# Altium PCB 75100_405_v4.0.PcbDoc (part 2 of 2)
Units mil, origin at the board's own origin, x right, y up, seen from the top; angles counter-clockwise.
Board outline 2985 x 1655 mil, 4 copper layers (Top Layer, Signal Layer 1, Signal Layer 2, Bottom Layer), stack 30.634 mil thick; 141 components, 93 nets, 422 pads, 408 vias.
Unrouted connection lines stored in the file: 2.
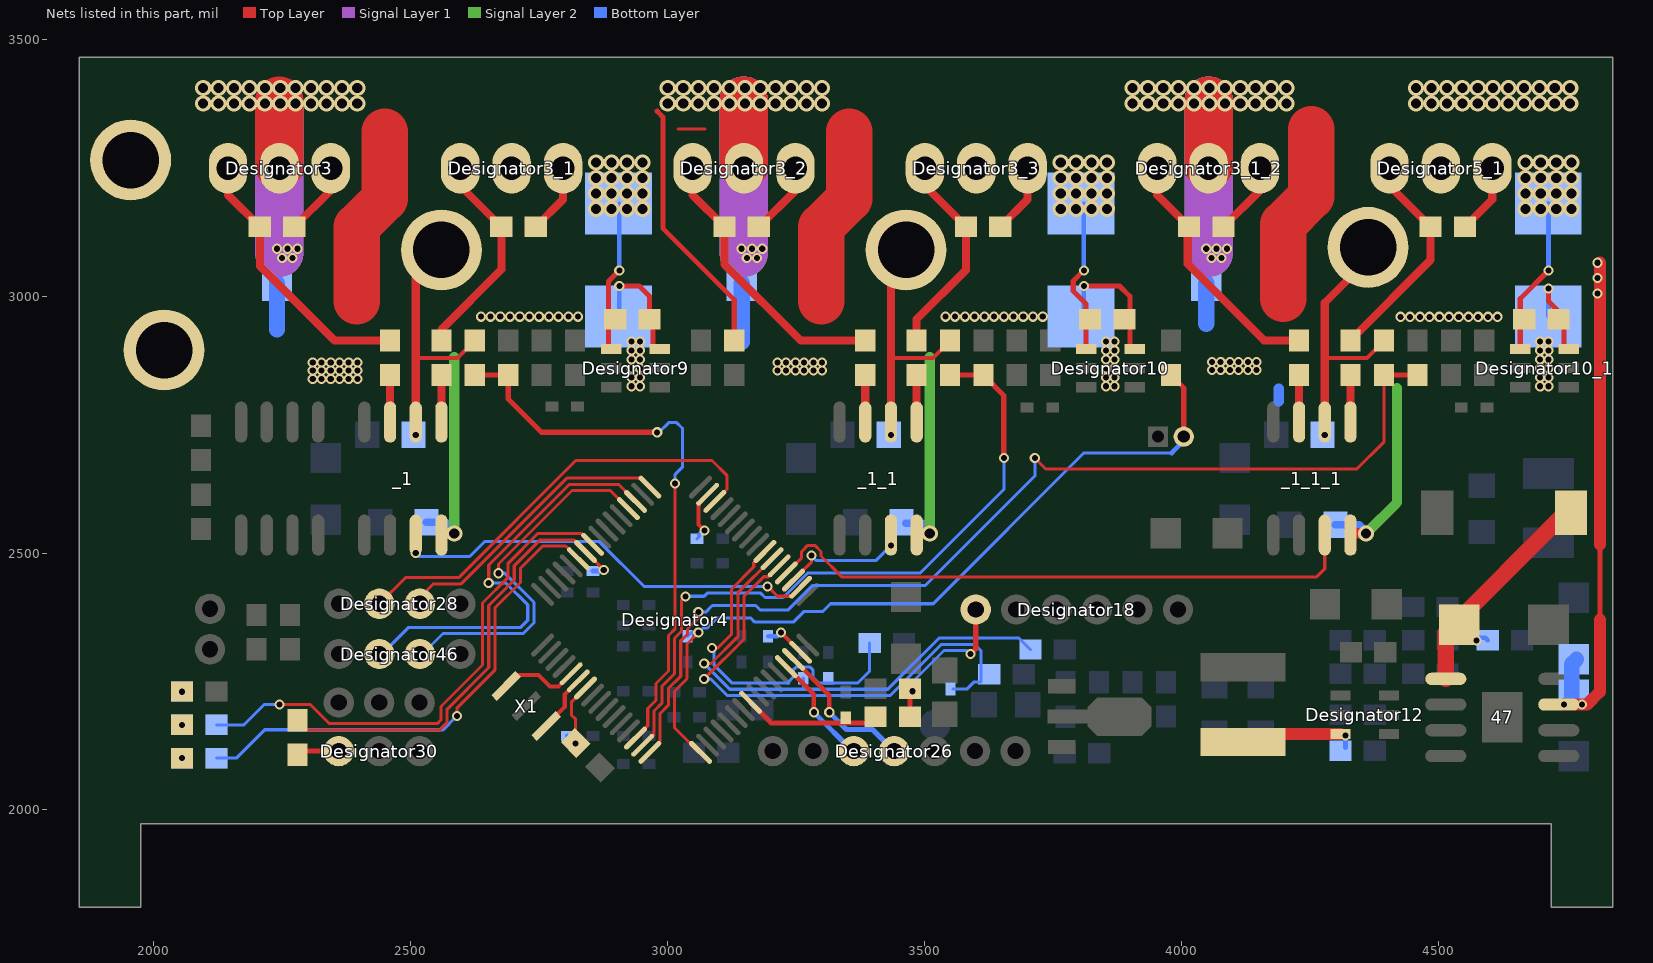
[diagram p4: the nets of this part, all layers, seen from the top]

## Via types
v1: diameter 19.68, hole 11.81, Top Layer to Bottom Layer, 254 vias
v2: diameter 31.5, hole 19.68, Top Layer to Bottom Layer, 154 vias

## Nets (pads, with @x,y where several pads share a name; then routed paths per layer and width w, separated by ;. In a path a pad name is that pad's centre, name@x,y a point inside that pad or via, vN(x,y) a via of type N, cw(c..) or ccw(c..) an arc to the next point about the centre after c; other vN are vias at no path point) (continued)
hall1: 3_7.1 Designator4.37 Designator44.1 | length 1005.4
  Top Layer w6: v1(3071.49,2255) 3071.72,2255 3149,2332.28 3149,2415.65 3187.2,2453.84 3196.28,2453.84 Designator4.37@3217.47,2475.04
  Bottom Layer w6: v1(3071.49,2255) 3083.78,2255 3116.04,2222.74 3433.84,2222.74 3533.41,2322.31 3597.8,2322.31 3610,2310.11 3610,2248.54 3596.17,2248.54 3582.63,2235 Designator44.1@3555.87,2235
hall2: 3_6.1 Designator4.38 Designator45.1 | length 995.5
  Top Layer w6: v1(3071.49,2285) 3084.75,2285 3137,2337.25 3137,2422.4 Designator4.38@3203.55,2489.03
  Bottom Layer w6: v1(3071.49,2285) 3071.49,2284.26 3121.01,2234.74 3265.08,2234.74 ; Designator45.1@3264.04,2256.34 3265.08,2255.3 3265.08,2234.74 ; 3_6.1@3706.54,2312 3683.95,2334.59 3528.72,2334.59 3428.87,2234.74 3265.08,2234.74
hall3: 3_5.2 Designator4.39 Designator43.1 | length 701.3
  Top Layer w6: v1@3081.49,2315 v1(3086.49,2315) 3097.78,2315 3125,2342.22 3125,2430 3167.97,2472.97 3167.97,2481.21 Designator4.39@3189.63,2502.87
  Bottom Layer w6: v1(3086.49,2315) 3090.33,2311.16 3090.33,2282.39 3125.98,2246.74 3233.04,2246.74 3245.04,2258.73 3245.04,2272.57 3250.31,2277.84 3277.76,2277.84 3283.04,2272.57 3283.04,2257.96 3294.26,2246.74 3370,2246.74 3393.63,2270.37 3_5.2@3393.63,2325
L1: _1.3 Designator4.34 | length 850.3
  Top Layer w6: v1(3195,2435) 3214.12,2415.88 3241.83,2415.88 Designator4.34@3259.23,2433.28
  Top Layer w7.87: v1(2510,2500) _1.3@2510,2535
  Bottom Layer w6: v1(2510,2500) 2516.84,2493.16 2614.93,2493.16 2643.89,2522.12 2867.21,2522.12 2954.34,2435 v1(3195,2435)
L2: _1_1.3 Designator4.35 | length 268.1
  Top Layer w6: Designator4.35@3245.31,2447.2 3280,2481.89 v1(3280,2495) v1@3280,2500 ; _1_1.3@3435,2505 _1_1.3@3435,2535
  Bottom Layer w6: v1(3280,2495) 3289.84,2485.16 3405.49,2485.16 v1(3434.74,2514.41)
L3: _1_1_1.3 Designator4.36 | length 1180
  Top Layer w6: Designator4.36@3231.39,2461.12 3261.16,2490.88 3261.16,2502.8 3273.35,2515 3286.65,2515 3298.84,2502.8 3298.84,2494.19 3339.46,2453.57 4263.57,2453.57 4279.41,2469.41 _1_1_1.3@4279.41,2535
ledb: 3.1@2055,2230.61 44.1
  other v1: 2055,2230
ledg: 4.1@2055,2165.61 43.1
  other v1: 2055,2165.61
ledgreen: 43.2 Designator4.57 | length 1033.1
  Top Layer w6: v1(2245,2205) 2304.75,2205 2341.94,2167.81 2551.65,2167.81 2559.16,2175.31 2559.16,2201.13 2640,2281.97 2640,2402.8 2689.79,2452.59 2689.79,2480.37 2747.06,2537.64 2833.44,2537.64 Designator4.57@2854.29,2516.79
  Bottom Layer w6: 43.2@2121.93,2165.61 2175.61,2165.61 2215,2205 v1(2245,2205) v1@2250,2205
ledr: 5.1@2055,2100.61 42.1
  other v1: 2055,2100.61
ledred: 42.2 Designator4.59 | length 981.9
  Top Layer w6: v1(2590,2182.63) 2590,2198.03 2664,2272.03 2664,2392.86 2713.79,2442.65 2713.79,2470.43 2757,2513.64 2801.76,2513.64 Designator4.59@2826.45,2489.03
  Bottom Layer w6: 42.2@2121.93,2100.61 2160.61,2100.61 2216,2156 2563.37,2156 v1(2590,2182.63)
nrf_rx: Designator4.52 Designator46.3 | length 743.8
  Top Layer w6: v1(2670.94,2460.57) 2670.94,2478.5 2814.07,2621.63 2888.72,2621.63 Designator4.52@2923.88,2586.47
  Bottom Layer w6: Designator46.3@2517.95,2298.32 2562.97,2343.34 2719.34,2343.34 2740,2364 2740,2403.99 2683.42,2460.57 v1(2670.94,2460.57)
  Bottom Layer w9: Designator46.3@2517.95,2298.32 Designator46.3@2517.95,2303.32 Designator46.3@2517.95,2315.68
nrf_tx: Designator4.51 Designator46.2 | length 841.4
  Top Layer w6: v1(2652,2441.45) 2652,2476.53 2809.1,2633.63 2904.56,2633.63 Designator4.51@2937.8,2600.39
  Bottom Layer w6: Designator46.2@2439.21,2298.32 2496.23,2355.34 2714.37,2355.34 2728,2368.97 2728,2399.02 2685.57,2441.45 2654.24,2441.45 v1(2652,2441.45)
nrst: 32.2 Designator4.7 Designator33.2 | length 137.5
  Top Layer w6: 32.2@2821.34,2138.66 2821.34,2176.4 2812.94,2184.8 2812.94,2209.7 Designator4.7@2840.37,2237.13
  Bottom Layer w9: Designator33.2@2805,2144.39 2821.34,2128.05 v1(2821.34,2129.12)
pc6: 
pc7: 
pc8: 
PGND: 1.2@3144.41,3020 2.2 30.1 31.1 34.1 ?.2 _1.2@2530.74,2560.15 _1.4 _1_1.2@3455.74,2560.15 _1_1.4 _1_1_1.2@4300.15,2555.15 _1_1_1.4 Designator9.3 Designator10.3 Designator10_1.3 pad.0@2020,2895 R11_1.1 R11_2.1 R11_3.1 | length 2246.5
  Top Layer w10: v1(2906.18,3020) 2945,3020 2965.09,2999.91 30.1@2965.09,2955 2971.92,2948.17 Designator9.3@2971.92,2897.4 ; v1(3810.59,3020) 3880,3020 3900,3000 Designator10.3@3900,2900 ; v1(4715,3015) 4715,2990 4734.58,2970.42 34.1@4734.58,2955 4745,2944.58 Designator10_1.3@4745,2900
  Top Layer w20: _1.4@2562.65,2537.65 v2@2584.97,2538.8 ; _1_1.4@3488.24,2538.24 v2(3510.59,2538.24) v2@3515.59,2538.24 ; _1_1_1.4@4332.65,2538.24 v2(4360,2538.24)
  Signal Layer 2 w20: v2@2585,2538.81 2585,2881.15 ; v2@3510.59,2538.81 3510.59,2881.15 ; v2(4360,2538.24) 4420,2598.24 4420,2821.42
  Bottom Layer w9: R11_1.1@2906.18,2960.76 v1(2906.18,3020) ; R11_3.1@3810.59,2960.76 v1(3810.59,3020) ; R11_2.1@4715,2960.76 v1(4715,3015)
  Bottom Layer w15: _1.2@2530.74,2560.15 2567.5,2560.15 v2@2585,2538.81 ; _1_1.2@3464.41,2558.14 3495.7,2558.14 v2@3515.59,2538.24 ; _1_1_1.2@4300.15,2555.15 4346.58,2555.15 4359.41,2542.32 v2@4359.41,2532.65
  Bottom Layer w20: 4190,2795 4190,2820
  Bottom Layer w31.5: 2240,2935 ?.2@2240,3025 ; 3144.41,2910.59 1.2@3144.41,3025 ; 4048.82,2946.18 2.2@4048.82,3025
  other v1: 2930.03,2824.63 2946.18,2824.63 3853.85,2824.63 3870,2824.63 4698.85,2824.63 4715,2824.63 2309.49,2838.85 2326.4,2838.85 2344.49,2838.85 2361.4,2838.85 2379.49,2838.85 2396.4,2838.85 2930.03,2841.54 2946.18,2841.54 3853.85,2841.54 3870,2841.54 4698.85,2841.54 4715,2841.54 2309.49,2855 2326.4,2855 2344.49,2855 2361.4,2855 2379.49,2855 2396.4,2855 3213.9,2855 3230.81,2855 3248.9,2855 3265.81,2855 3283.9,2855 3300.81,2855 4060,2856.02 4076.91,2856.02 4095,2856.02 4111.91,2856.02 4130,2856.02 4146.91,2856.02 2930.03,2859.63 2946.18,2859.63 3853.85,2859.63 3870,2859.63 4698.85,2859.63 4715,2859.63 2309.49,2871.15 2326.4,2871.15 2344.49,2871.15 2361.4,2871.15 2379.49,2871.15 2396.4,2871.15 3213.9,2871.15 3230.81,2871.15 3248.9,2871.15 3265.81,2871.15 3283.9,2871.15 3300.81,2871.15 4060,2872.18 4076.91,2872.18 4095,2872.18 4111.91,2872.18 4130,2872.18 4146.91,2872.18 2930.03,2876.54 2946.18,2876.54 3853.85,2876.54 3870,2876.54 4698.85,2876.54 4715,2876.54 2930.03,2894.63 2946.18,2894.63 3853.85,2894.63 3870,2894.63 4698.85,2894.63 4715,2894.63 2930.03,2911.54 2946.18,2911.54 3853.85,2911.54 3870,2911.54 4698.85,2911.54 4715,2911.54 2636.65,2960 2655.59,2960 2674.53,2960 2693.47,2960 2712.4,2960 2731.34,2960 2750.28,2960 2769.22,2960 2788.15,2960 2807.09,2960 2826.03,2960 3541.06,2960 3560,2960 3578.94,2960 3597.87,2960 3616.81,2960 3635.75,2960 3654.69,2960 3673.62,2960 3692.56,2960 3711.5,2960 3730.44,2960 4426.65,2959.84 4445.59,2959.84 4464.53,2959.84 4483.47,2959.84 4502.4,2959.84 4521.34,2959.84 4540.28,2959.84 4559.22,2959.84 4578.15,2959.84 4597.09,2959.84 4616.03,2959.84
  other v2: 2585,2538.24
ppm: 46.2 Designator30.1 | length 65.1
  Top Layer w10: 46.2@2295,2114.42 Designator30.1@2360.06,2114.42
rc1: Designator4.5 X1.3 | length 155
  Top Layer w7.87: X1.3@2686.03,2240.95 2707.47,2262.4 2748.79,2262.4 2771.19,2240 2787.56,2240 Designator4.5@2812.53,2265.04
rc2: Designator4.6 X1.1 | length 111.5
  Top Layer w7.87: X1.1@2765,2165 2800,2200 2800,2224.6 Designator4.6@2826.45,2251.04
rx: Designator4.30 Designator26.4 | length 289.3
  Top Layer w9: Designator4.30@3245.31,2292.8 3315,2223.11 v1@3315,2195
  Bottom Layer w10: v1@3315,2195 v1(3315,2190) 3348.58,2156.42 3399.29,2156.42 Designator26.4@3441.29,2114.42
S1: 7.1 8.1 Designator4.14 | length 1130.5
  Top Layer w6: Designator4.14@2937.8,2139.69 2961.61,2163.49 2961.61,2197.39 2977.67,2213.44 2977.67,2246.1 3001.82,2270.26 3001.82,2339.31 3015,2352.49 v1(3015,2635)
  Top Layer w10: 7.1@2625,2846.54 8.1@2690,2846.54 2690,2800 2755,2735 v1(2980,2735)
  Bottom Layer w6: v1(2980,2735) 2983.35,2735 3002.2,2753.84 3017.8,2753.84 3028.32,2743.32 3028.84,2742.8 3028.84,2666.87 3015,2653.03 v1(3015,2635)
S2: 9.1 10.1 Designator4.15 | length 1343.4
  Top Layer w6: Designator4.15@2951.72,2125.85 Designator4.15@2951.72,2125.85 2951.72,2126.05 2971.19,2145.51 2973.61,2145.51 2973.61,2192.41 2989.67,2208.47 2989.67,2241.13 3013.82,2265.29 3013.82,2333.9 3027,2347.08 3027,2407 v1(3035,2415)
  Top Layer w10: 9.1@3550,2846.54 10.1@3615,2846.54 3654.69,2806.85 v1(3654.69,2685)
  Bottom Layer w6: v1@3034.16,2415.84 v1(3035,2415) ; v1@3035,2415.84 3071.31,2415.84 3077.31,2421.84 3181.51,2421.84 3189.96,2413.39 3225.23,2413.39 3272.99,2461.16 3492.22,2461.16 3654.69,2623.63 v1(3654.69,2685)
S3: 11.1 12.1 Designator4.16 | length 2025
  Top Layer w6: Designator4.16@2965.64,2111.93 2985.61,2131.82 2985.61,2187.44 3001.67,2203.5 3001.67,2236.16 3025.82,2260.32 3025.82,2328.93 3039,2342.11 3039,2352.04 3060,2373.04 v1(3060,2385) ; v1(3715,2685) 3736.84,2663.16 4341.4,2663.16 4395,2716.76 11.1@4395,2846.54
  Top Layer w10: 11.1@4395,2846.54 12.1@4460,2846.54
  Bottom Layer w6: v1(3060,2385) 3074.41,2385 3087.25,2397.84 3171.57,2397.84 3180.02,2389.39 3235.17,2389.39 3282.93,2437.16 3502.16,2437.16 3715,2650 v1(3715,2685)
servo: 46.1 Designator4.58 Designator42.2 | length 905
  Top Layer w6: 46.1@2284.29,2170 2298.49,2155.81 2556.62,2155.81 2571.16,2170.34 2571.16,2196.16 2652,2277 2652,2397.83 2701.79,2447.62 2701.79,2475.4 2752.03,2525.64 2817.6,2525.64 v1(2875.95,2467.29)
  Top Layer w10: 46.1@2280,2174.29 46.1@2284.29,2170
  Bottom Layer w9: Designator42.2@2855,2465 2873.65,2465 v1(2875.95,2467.29)
sw1: 13.1 14.2 47.5 _2.1@4596.54,2330 | length 453.8
  Top Layer w31.5: 47.5@4515,2255 4515,2345 4748,2578 13.1@4758.67,2578
  Bottom Layer w9: _2.1@4575,2335 4591.54,2335 _2.1@4596.54,2330
  other v1: 4575,2330
sw2: 16.1 19.2 Designator12.6 | length 198
  Top Layer w23.62: 16.1@4135.43,2147.6 Designator12.6@4310,2147.6
  Bottom Layer w10: 19.2@4320,2121.54 v1(4320,2145)
swclk: Designator4.49 Designator28.3 | length 563.4
  Top Layer w6: Designator28.3@2517.95,2401.16 2517.95,2413.52 2544.38,2439.94 2598.45,2439.94 2804.13,2645.63 2948.16,2645.63 Designator4.49@2965.64,2628.15
swdio: Designator4.46 Designator28.2 | length 864.6
  Top Layer w6: Designator28.2@2439.21,2401.16 2490,2451.94 2593.47,2451.94 2821.69,2680.16 3086.64,2680.16 3115.64,2651.15 3115.64,2623.76 Designator4.46@3092.2,2600.31
tm: 49.2 Designator4.24 Designator34.1 | length 275.4
  Top Layer w10: Designator4.24@3161.79,2209.29 3201.92,2169.16 3390.11,2169.16 3394.64,2173.69 49.2@3418.69,2173.69
tmos: 1.2@4005,2726.54 21_2.1 Designator4.17 Designator41.2 | length 1544.4
  Top Layer w6: v1(3060,2345) 3037.82,2322.82 3037.82,2255.34 3013.67,2231.19 3013.67,2159.69 3051.06,2122.29 3053.92,2122.29 Designator4.17@3064.36,2111.93
  Top Layer w10: 21_2.1@3980,2846.54 4005,2821.54 1.2@4005,2741.54
  Bottom Layer w6: Designator41.2@3038.83,2337.83 3046.04,2345 v1(3060,2345) 3069.16,2354.16 3077.51,2354.16 3097.2,2373.84 3161.63,2373.84 3170.08,2365.39 3245.11,2365.39 3266.2,2386.49 3302.8,2386.49 3317.48,2401.16 3517.07,2401.16 3810.91,2695 3981.68,2695 ; 1.2@4005,2718.32 1.2@4005,2726.54 1.2@4005,2741.54
  Bottom Layer w10: 3981.68,2695 1.2@4005,2718.32
tmot: 36.2 49.1 Designator18.1@3600,2390 | length 299.8
  Top Layer w10: 49.1@3471.93,2181.07 36.2@3471.93,2230.95 ; v1(3590,2303.46) 3600,2313.46 Designator18.1@3600,2390
  Bottom Layer w6: v1(3476.93,2230.95) 3476.93,2248.86 3538.38,2310.31 3583.16,2310.31 v1(3590,2303.46)
tx: Designator4.29 Designator26.3 | length 213.7
  Top Layer w9: Designator4.29@3231.39,2278.88 3285,2225.27 v1@3285,2195
  Bottom Layer w10: v1@3284.85,2189.85 Designator26.3@3360.98,2113.73
  other v1: 3285,2190
U: 4.1@2273.46,3135 7.2 _1.2@2505.74,2730.15 _1.6 Designator3.3 Designator3_1.2 pad.0@2560,3090 | length 622.3
  Top Layer w7.87: 2510,2880 2591.54,2880 7.2@2625,2913.46
  Top Layer w15.75: 4.1@2273.46,3135 2344.49,3206.02 Designator3.3@2344.49,3248.98 ; _1.6@2510,2735 _1.6@2510,2755 2510,2880 pad.0@2510,3085
  other v1: 2510,2730
u_h: 3.1@2460,2846.54 _1.7 | length 111.5
  Top Layer w15.75: _1.7@2460,2735 3.1@2460,2846.54
u_l: 5.1@2560,2846.54 _1.5 | length 111.5
  Top Layer w15.75: _1.5@2560,2735 5.1@2560,2846.54
uh: 3.2@2460,2913.46 4.2@2206.54,3135 Designator3.1 | length 529.7
  Top Layer w15.75: Designator3.1@2144.49,3248.98 2144.49,3197.05 4.2@2206.54,3135 2206.54,3058.46 2351.54,2913.46 3.2@2460,2913.46
ul: 5.2@2560,2913.46 6.2 Designator3_1.1 | length 416.9
  Top Layer w15.75: 5.2@2560,2913.46 2560,2935 2676.54,3051.54 6.2@2676.54,3135 2596.69,3214.84 Designator3_1.1@2596.69,3248.98
UR: 6.1 30.2 Designator3_1.3 Designator9.4 R11_1.2 | length 429.5
  Top Layer w7.87: Designator9.4@2880,2897.4 Designator9.4@2885.34,2902.74
  Top Layer w10: Designator9.4@2885.34,2902.74 2885.34,3028.63 2887.95,3031.24 2887.95,3031.77 v1(2906.18,3050)
  Top Layer w15.75: 6.1@2743.46,3135 2796.69,3188.23 Designator3_1.3@2796.69,3248.98
  Bottom Layer w9: v1(2906.18,3050) R11_1.2@2906.18,3180.05
  other v2: 2861.18,3170 2891.18,3170 2921.18,3170 2951.18,3170 2861.18,3200 2891.18,3200 2921.18,3200 2951.18,3200 2861.18,3230 2891.18,3230 2921.18,3230 2951.18,3230 2861.18,3260 2891.18,3260 2921.18,3260 2951.18,3260
V: 4_1.1 9.2 _1_1.2@3430.74,2730.15 _1_1.6 Designator3_2.3 Designator3_3.2 pad.0@3464.41,3090 | length 611.7
  Top Layer w7.87: 3435,2880 3516.54,2880 9.2@3550,2913.46
  Top Layer w15.75: 4_1.1@3177.87,3135 3248.9,3206.02 Designator3_2.3@3248.9,3248.98 ; _1_1.6@3435,2735 _1_1.6@3435,2755 3435,2880 pad.0@3435,3074.41
  other v1: 3435,2730
v_h: 3_1.1 _1_1.7 | length 111.5
  Top Layer w15.75: _1_1.7@3385,2735 3_1.1@3385,2846.54
v_l: 5_1.1 _1_1.5 | length 111.5
  Top Layer w15.75: _1_1.5@3485,2735 5_1.1@3485,2846.54
vb: 47.3 _1_1_2.2 _1_1_3.1 | length 1023.5
  Top Layer w6: 47.3@4735,2205 v1(4745,2205)
  Top Layer w10: 4815,2370 4815,2516.87
  Top Layer w23.62: v1(4745,2205) v1(4780,2205) 4790,2205 4815,2230 4815,2370 ; 4815,2516.87 4815,2680 4815,2740 4815,2751.19 v1@4815,3065
  Bottom Layer w20: v1(4745,2205) _1_1_3.1@4760,2220
  Bottom Layer w30: _1_1_3.1@4760,2220 4760,2283.66 _1_1_2.2@4769.41,2293.07
  other v1: 4810,3005 4810,3035 4810,3065
VBAT: 1.1@3144.41,3140 2.1 29.2 ?.1 Designator3.2 Designator3_1_2.2 Designator3_2.2 pad.0@1955,3265 | length 4063.8
  Top Layer w6: 3021,3325 3072.87,3325
  Top Layer w10: 2980,3360 2991,3349 2991,3131.97 3130,2992.97 29.2@3130,2913.46
  Top Layer w90: 2395,2990 2395,3135 2449.49,3189.49 2449.49,3320 ; 3299.41,2990 3299.41,3135 3353.9,3189.49 3353.9,3320 ; 4198.82,2995 4198.82,3140 4253.31,3194.49 4253.31,3325
  Top Layer w94.49: Designator3.2@2244.49,3253.98 v2@2244.49,3380 ; Designator3_2.2@3148.9,3253.98 v2@3148.9,3380 ; Designator3_1_2.2@4053.31,3253.98 v2@4053.31,3380
  Signal Layer 1 w94.49: v1@2244.49,3084.49 Designator3.2@2244.49,3248.98 2244.49,3325 ; v1@3148.9,3084.49 Designator3_2.2@3148.9,3248.98 ; Designator3_2.2@3148.9,3253.98 v2@3148.9,3380 ; v1@4053.31,3084.49 Designator3_1_2.2@4053.31,3248.98 ; Designator3_1_2.2@4053.31,3253.98 v2@4053.31,3380
  Signal Layer 2 w94.49: v1@2244.49,3084.49 Designator3.2@2244.49,3248.98 v2@2244.49,3370 ; v1@3148.9,3084.49 Designator3_2.2@3148.9,3248.98 ; Designator3_2.2@3148.9,3253.98 v2@3148.9,3380 ; v1@4053.31,3084.49 Designator3_1_2.2@4053.31,3248.98 ; Designator3_1_2.2@4053.31,3253.98 v2@4053.31,3380
  Bottom Layer w31.5: 2.1@4048.82,3145 2.1@4053.31,3149.49
  Bottom Layer w94.49: Designator3.2@2244.49,3253.98 v2@2244.49,3375 ; Designator3_2.2@3148.9,3253.98 v2@3148.9,3380 ; Designator3_1_2.2@4053.31,3253.98 v2@4053.31,3380
  other v1: 2250,3074.49 2270,3074.49 3154.41,3074.49 3174.41,3074.49 4058.82,3074.49 4078.82,3074.49 2240,3092.24 2260,3092.24 2280,3092.24 3144.41,3092.24 3164.41,3092.24 3184.41,3092.24 4048.82,3092.24 4068.82,3092.24 4088.82,3092.24
  other v2: 2096.18,3375 2126.18,3375 2156.18,3375 2186.18,3375 2216.18,3375 2246.18,3375 2276.18,3375 2306.18,3375 2336.18,3375 2366.18,3375 2396.18,3375 3000.59,3375 3030.59,3375 3060.59,3375 3090.59,3375 3120.59,3375 3150.59,3375 3180.59,3375 3210.59,3375 3240.59,3375 3270.59,3375 3300.59,3375 3905,3375 3935,3375 3965,3375 3995,3375 4025,3375 4055,3375 4085,3375 4115,3375 4145,3375 4175,3375 4205,3375 4457.2,3375 4487.2,3375 4517.2,3375 4547.2,3375 4577.2,3375 4607.2,3375 4637.2,3375 4667.2,3375 4697.2,3375 4727.2,3375 4757.2,3375 2096.18,3405 2126.18,3405 2156.18,3405 2186.18,3405 2216.18,3405 2246.18,3405 2276.18,3405 2306.18,3405 2336.18,3405 2366.18,3405 2396.18,3405 3000.59,3405 3030.59,3405 3060.59,3405 3090.59,3405 3120.59,3405 3150.59,3405 3180.59,3405 3210.59,3405 3240.59,3405 3270.59,3405 3300.59,3405 3905,3405 3935,3405 3965,3405 3995,3405 4025,3405 4055,3405 4085,3405 4115,3405 4145,3405 4175,3405 4205,3405 4457.2,3405 4487.2,3405 4517.2,3405 4547.2,3405 4577.2,3405 4607.2,3405 4637.2,3405 4667.2,3405 4697.2,3405 4727.2,3405 4757.2,3405
vcap1: Designator4.31 Designator21.2 | length 82.2
  Top Layer w7.87: v1(3220.95,2345) Designator4.31@3259.23,2306.72
  Bottom Layer w9: Designator21.2@3195.88,2337.83 3213.79,2337.83 v1(3220.95,2345)
vcap2: Designator4.47 Designator20.2 | length 109.6
  Top Layer w7.87: v1(3072.04,2543.83) 3059.94,2555.93 3059.94,2595.89 Designator4.47@3078.28,2614.23
  Bottom Layer w6: Designator20.2@3057.48,2527.83 3062.69,2533.05 3060,2535.74 3068.09,2543.83 v1(3072.04,2543.83)
vh: 3_1.2 4_1.2 Designator3_2.1 | length 548.3
  Top Layer w15.75: Designator3_2.1@3048.9,3248.98 3048.9,3197.05 4_1.2@3110.94,3135 3110.94,3061.91 3259.39,2913.46 3_1.2@3385,2913.46
vl: 5_1.2 6_1.2 Designator3_3.1 | length 408.3
  Top Layer w15.75: 5_1.2@3485,2913.46 3485,2955 3580.94,3050.94 6_1.2@3580.94,3135 3501.1,3214.84 Designator3_3.1@3501.1,3248.98
VR: 6_1.1 31.2 Designator3_3.3 Designator10.4 R11_3.2 | length 444.5
  Top Layer w10: Designator10.4@3805,2895 3815,2905 3815,2985 3789.75,3010.25 3789.75,3029.75 v1@3810.3,3050.3
  Top Layer w15.75: 6_1.1@3647.87,3135 3701.1,3188.23 Designator3_3.3@3701.1,3248.98
  Bottom Layer w9: v1(3810.59,3050) R11_3.2@3810.59,3180.05
  other v2: 3765.59,3170 3795.59,3170 3825.59,3170 3855.59,3170 3765.59,3200 3795.59,3200 3825.59,3200 3855.59,3200 3765.59,3230 3795.59,3230 3825.59,3230 3855.59,3230 3765.59,3260 3795.59,3260 3825.59,3260 3855.59,3260
W: 4_2.1 11.2 _1_1_1.2@4275.15,2730.15 _1_1_1.6 Designator3_1_2.3 Designator5_1.2 pad.0@4363.82,3095 | length 675.1
  Top Layer w7.87: 4279.41,2880 4361.54,2880 11.2@4395,2913.46
  Top Layer w15.75: 4_2.1@4082.28,3135 4153.31,3206.02 Designator3_1_2.3@4153.31,3248.98 ; _1_1_1.6@4279.41,2735 _1_1_1.6@4279.41,2755 4279.41,2880 4279.41,2987.09 pad.0@4370,3077.68 ; pad.0@4323.82,3090 pad.0@4339.41,3074.41
  other v1: 4279.41,2730
w_h: 3_1_1.1 _1_1_1.7 | length 111.5
  Top Layer w15.75: _1_1_1.7@4229.41,2735 3_1_1.1@4229.41,2846.54
w_l: 5_1_1.1 _1_1_1.5 | length 111.5
  Top Layer w15.75: _1_1_1.5@4329.41,2735 5_1_1.1@4329.41,2846.54
wh: 3_1_1.2 4_2.2 Designator3_1_2.1 | length 503.8
  Top Layer w15.75: Designator3_1_2.1@3953.31,3248.98 3953.31,3197.05 4_2.2@4012.68,3137.68 ; 4_2.2@4015.35,3135 4_2.2@4012.68,3137.68 ; 4_2.2@4020,3145 4_2.2@4012.68,3137.68 ; 3_1_1.2@4229.41,2913.46 4161.54,2913.46 4012.68,3062.32 4_2.2@4012.68,3137.68
wl: 5_1_1.2 6_2.2 Designator5_1.1 | length 428.7
  Top Layer w15.75: 5_1_1.2@4331.91,2916.91 4485.35,3070.35 6_2.2@4485.35,3135 4405.51,3214.84 Designator5_1.1@4405.51,3248.98
WR: 6_2.1 34.2 Designator5_1.3 Designator10_1.4 R11_2.2 | length 442
  Top Layer w10: Designator10_1.4@4660,2897.4 4660,2995 v1(4715,3050)
  Top Layer w15.75: 6_2.1@4552.28,3135 4605.51,3188.23 Designator5_1.3@4605.51,3248.98
  Bottom Layer w9: R11_2.2@4714.65,3180.4 4715,3180.05 v1(4715,3050)
  other v2: 4670,3170 4700,3170 4730,3170 4760,3170 4670,3200 4700,3200 4730,3200 4760,3200 4670,3230 4700,3230 4730,3230 4760,3230 4670,3260 4700,3260 4730,3260 4760,3260
pads on no net: 47.2 _3.5 Designator4.2 Designator4.3 Designator4.4 Designator4.20 Designator4.23 Designator4.25 Designator4.26 Designator4.27 Designator4.28 Designator4.33 Designator4.40 Designator4.50 Designator4.53 Designator4.54 Designator4.55 Designator4.56

## Polygon pours and split planes (outlines as drawn)
PGND on Top Layer "Top Layer-PGND" (solid, pour order 90): 1870,2805 2425,2805 2425,2890 2340,2890 2225,3005 1928.46,3005 1870,3005
VBAT on Top Layer "Top Layer-VBAT" (solid, pour order 86): 2395,2945 2359.49,2945 2230,3074.49 2230,3100 2410.5,3100
no net on Top Layer "Top Layer-No Net 1" (solid, pour order 84): 2295,3090
VBAT on Top Layer "Top Layer-VBAT 1" (solid, pour order 52): 4204.32,2950 4163.31,2950 4038.82,3074.49 4038.82,3100 4219.32,3100
VBAT on Top Layer "Top Layer-VBAT 2" (solid, pour order 50): 3299.41,2945 3263.9,2945 3134.41,3074.49 3134.41,3100 3314.91,3100
PGND on Top Layer "Top Layer-GND 2" (solid, pour order 28): 4418.62,2969.84 4488.62,3039.84 4508.62,3059.84 4625.59,3059.84 4625.59,2949.84 4418.62,2949.84
PGND on Top Layer "Top Layer-GND" (solid, pour order 16): 2628.62,2970 2698.62,3040 2698.62,3060 2835.59,3060 2835.59,2950 2628.62,2950
PGND on Top Layer "Top Layer-GND 2" (solid, pour order 8): 3533.03,2970 3603.03,3040 3603.03,3060 3740,3060 3740,2950 3533.03,2950
no net on Top Layer "Top Layer-No Net" (solid, pour order 6): 3570,2963.57
3v3 on Top Layer "Top Layer-3v3" (solid, remove dead copper, pour order 2): 2916,2751 3053.74,2750.92 3360.27,2444.39 3359.97,2303.69 3091.28,2035 2926.34,2035 2865,2096.34 2640.67,2320.67 2640.67,2473.91 2640.88,2475.88
GND on Bottom Layer "Bottom Layer-GND" (solid, remove dead copper, pour order 4): 1870,2800 1870,1985 4824.45,1985 4824.45,2800
VBAT on Bottom Layer "Bottom Layer-VBAT" (solid, pour order 104): 2242.5,3065 2201.18,3106.32 2201.18,3350 2290,3261.18 2290,3080 2279.92,3069.92 2275,3065
VBAT on Bottom Layer "Bottom Layer-VBAT 1" (solid, pour order 102): 3146.91,3065 3105.59,3106.32 3105.59,3350 3194.41,3261.18 3194.41,3080 3184.33,3069.92 3179.41,3065
VBAT on Bottom Layer "Bottom Layer-VBAT 2" (solid, pour order 100): 4051.32,3065 4010,3106.32 4010,3350 4098.82,3261.18 4098.82,3080 4088.74,3069.92 4083.82,3065
no net on Bottom Layer "Bottom Layer-No Net 1" (solid, pour order 94): 2279.92,3065
W on Bottom Layer "Bottom Layer-V" (solid, pour order 88): 4115,3000 4553.82,3000 4553.82,3175 4553.82,3305 4454.94,3305 4454.94,3176.12 4453.82,3175 4353.82,3175 4353.82,3305 4115,3305
U on Bottom Layer "Bottom Layer-U" (solid, pour order 68): 2306.18,3000 2745,3000 2745,3175 2745,3305 2646.12,3305 2646.12,3176.12 2645,3175 2545,3175 2545,3305 2306.18,3305
V on Bottom Layer "Bottom Layer-V" (solid, pour order 66): 3210.59,3000 3649.41,3000 3649.41,3175 3649.41,3305 3550.53,3305 3550.53,3176.12 3549.41,3175 3449.41,3175 3449.41,3305 3210.59,3305
PGND on Bottom Layer "Bottom Layer-PGND" (solid, pour order 34): 1870,2810 1870,2985 4824.45,2985 4824.45,2810
GND on Bottom Layer "Bottom Layer-GND 1" (solid, pour order 26): 4535,2297.13 4670.73,2297.13 4705,2259.84 4720,2244.06 4720,2136.34 4556.23,2136.34 4535,2115.11
no net on Bottom Layer "Bottom Layer-No Net" (solid, pour order 20): 4714.65,2179.79
PGND on Signal Layer 1 "Signal Layer 2-PGND" (solid, pour order 92): 1870,2810 1870,2980 4820,2980 4820,2810
W on Signal Layer 1 "Signal Layer 1-W" (solid, pour order 80): 4553.82,3305 4553.82,3000 4118.82,3000 4118.82,3305 4357.64,3305 4357.64,3175 4457.64,3175 4458.76,3176.12 4458.76,3305
V on Signal Layer 1 "Signal Layer 1-V" (solid, pour order 78): 3649.41,3305 3649.41,3000 3214.41,3000 3214.41,3305 3453.23,3305 3453.23,3175 3553.23,3175 3554.35,3176.12 3554.35,3305
U on Signal Layer 1 "Signal Layer 1-U" (solid, pour order 76): 2745,3305 2745,3000 2310,3000 2310,3305 2548.82,3305 2548.82,3175 2648.82,3175 2649.94,3176.12 2649.94,3305
no net on Signal Layer 1 "Signal Layer 1-No Net" (solid, pour order 40): 2306.18,3180
no net on Signal Layer 1 "Signal Layer 1-No Net 1" (solid, pour order 38): 2306.18,3190
GND on Signal Layer 1 "Bottom Layer-GND" (solid, remove dead copper, pour order 30): 1870,2800 1870,1985 4820,1985 4820,2800
U on Signal Layer 2 "Signal Layer 2-U" (solid, pour order 74): 2746.18,3305 2746.18,2995 2311.18,2995 2311.18,3305 2550,3305 2550,3175 2650,3175 2651.12,3176.12 2651.12,3305
V on Signal Layer 2 "Signal Layer 2-V" (solid, pour order 72): 3650.59,3305 3650.59,2995 3215.59,2995 3215.59,3305 3454.41,3305 3454.41,3175 3554.41,3175 3555.53,3176.12 3555.53,3305
W on Signal Layer 2 "Signal Layer 2-W" (solid, pour order 70): 4555,3305 4555,2995 4120,2995 4120,3305 4358.82,3305 4358.82,3175 4458.82,3175 4459.94,3176.12 4459.94,3305
PGND on Signal Layer 2 "Signal Layer 2-PGND" (solid, pour order 36): 1870,2810 1870,2980 4820,2980 4820,2810
GND on Signal Layer 2 "Bottom Layer-GND" (solid, remove dead copper, pour order 32): 1870,2800 1870,1985 4820,1985 4820,2800
no net on Bottom Solder (solid): 4548.82,3290 4548.82,3005 4115,3005 4115,3290 4203.82,3290 4203.82,3165 4463.82,3165 4463.82,3290
no net on Bottom Solder (solid): 3644.41,3290 3644.41,3005 3210.59,3005 3210.59,3290 3299.41,3290 3299.41,3165 3559.41,3165 3559.41,3290
no net on Bottom Solder (solid, pour order 82): 2740,3290 2740,3005 2306.18,3005 2306.18,3290 2395,3290 2395,3165 2655,3165 2655,3290
no net on Top Solder (solid): 4111.4,3017.42 4111.4,3055 4209.32,3055 4202.32,2985 4143.82,2985
no net on Top Solder (solid): 2307.58,3012.42 2307.58,3050 2405.5,3050 2398.5,2980 2340,2980
no net on Top Solder (solid): 3211.99,3012.42 3211.99,3050 3309.91,3050 3302.91,2980 3244.41,2980

## Other copper
Top Layer:
  rectangle net vb: 4748,2995 4825,3085
  region net rc2: 2806.35,2176.04 2778.07,2204.33 2723.7,2149.96 2751.98,2121.67
  region net GND: 2767.38,2215.02 2739.1,2243.3 2684.73,2188.93 2713.01,2160.65
  region net rc1: 2728.41,2253.99 2700.12,2282.28 2645.75,2227.91 2674.04,2199.62
  rectangle net UR: 2761.18,3194.49 2971.92,3300
  rectangle net UR: 2834.65,3130 2971.92,3300
  rectangle net VR: 3665.59,3194.49 3884.41,3300
  rectangle net VR: 3739.06,3130 3884.41,3300
  rectangle net WR: 4643.46,3130 4788.82,3300
  rectangle net WR: 4570,3194.49 4788.82,3300
  rectangle net VBAT: 1865,3180 2074.65,3455
  rectangle net VBAT: 1865,3320 4825,3455
Signal Layer 1:
  rectangle net WR: 4643.46,3130 4780.74,3300
  rectangle net WR: 4570,3194.49 4780.74,3300
  rectangle net VR: 3739.06,3130 3876.33,3300
  rectangle net VR: 3665.59,3194.49 3876.33,3300
  rectangle net UR: 2834.65,3130 2971.92,3300
  rectangle net UR: 2761.18,3194.49 2971.92,3300
  rectangle net VBAT: 1865,3180 2074.65,3455
  rectangle net VBAT: 1865,3320 4825,3455
Signal Layer 2:
  rectangle net WR: 4643.46,3130 4780.74,3300
  rectangle net WR: 4570,3194.49 4780.74,3300
  rectangle net VR: 3739.06,3130 3876.33,3300
  rectangle net VR: 3665.59,3194.49 3876.33,3300
  rectangle net UR: 2834.65,3130 2971.92,3300
  rectangle net UR: 2761.18,3194.49 2971.92,3300
  rectangle net VBAT: 1865,3180 2074.65,3455
  rectangle net VBAT: 1865,3320 4825,3455
Bottom Layer:
  rectangle net GND: 4153,2775 4230,2800
  rectangle net WR: 4570,3130 4788.82,3300
  rectangle net VBAT: 1865,3180 2074.65,3455
  rectangle net VR: 3665.59,3130 3884.41,3300
  rectangle net VBAT: 1865,3320 4825,3455
  rectangle net UR: 2760,3130 2980,3300

## Silkscreen, mask and mechanical layers (free items; w line width, h text height)
Top Overlay:
  lines w7.87: 3447.56,2344 3467.56,2344 3447.56,2364 3482.56,2364 3467.56,2349 ; 3457.56,2344 3482.56,2344 ; 4035,2543.24 4020,2558.24 4020,2523.24 4040,2543.24 4040,2523.24 ; 4040,2533.24 4040,2558.24 ; 4330,2380 4330,2405 ; 4330,2415 4330,2395 4350,2415 4350,2380 4335,2395
  text "VESC 75_100 V4.0" at 3520,2605 h40
  text "T 5V A B C GND" at 3605,2440 h30
  text "P 5V GND" at 2344.49,2030 h30
  text "A1 A2 TX RX 3V 5V GND" at 3140,2030 h30
Bottom Overlay:
  drawing of 3479 lines, arcs and shapes, not listed
  text "+1s" at 2755.87,2728.5 h40
Top Solder:
  rectangle: 4755,3345 4815,3425
  rectangle: 4755,3000 4810,3080
  rectangle: 2715.59,2980 2825.59,3050
  rectangle: 4515,2980 4615.59,3050
  rectangle: 3620,2980 3730,3050
  lines w70: 2395,2991.18 2395,3060 2395,3135 2449.49,3189.49 2449.49,3390 ; 3299.41,2991.18 3299.41,3060 3299.41,3135 3353.9,3189.49 3353.9,3390 ; 4198.82,2996.18 4198.82,3065 4198.82,3140 4253.31,3194.49 4253.31,3390
Bottom Solder:
  rectangle: 1880,3335 4250,3425
  rectangle: 4570,3175 4779.41,3290
  rectangle: 2761.18,3175 2970.59,3290
  rectangle: 3665.59,3175 3875,3290
  rectangle: 1880,2859.63 4785,2950
  lines w94.49: 2244.49,3253.98 2244.49,3380 ; 3148.9,3253.98 3148.9,3380 ; 4053.31,3253.98 4053.31,3380
Mechanical 1:
  lines w10: 1855,1968.46 1855,1810 1975,1810 1975,1973.46 4720,1973.46 4720,1810 4840,1810 4840,1968.46 ; 1855,1968.5 1855,3464.57 1985.43,3464.57 2050,3464.57 ; 2050,3465 4645,3465 ; 4645,3464.57 4774.41,3464.57 4840,3464.57 4840,1968.5